# Altium PCB IOT_V1.2.PcbDoc (part 2 of 2)
Units mm, origin at the board's own origin, x right, y up, seen from the top; angles counter-clockwise.
Board outline 86.5 x 100 mm, 2 copper layers (Top Layer, Bottom Layer); 131 components, 118 nets, 469 pads, 487 vias.
Unrouted connection lines stored in the file: 52.
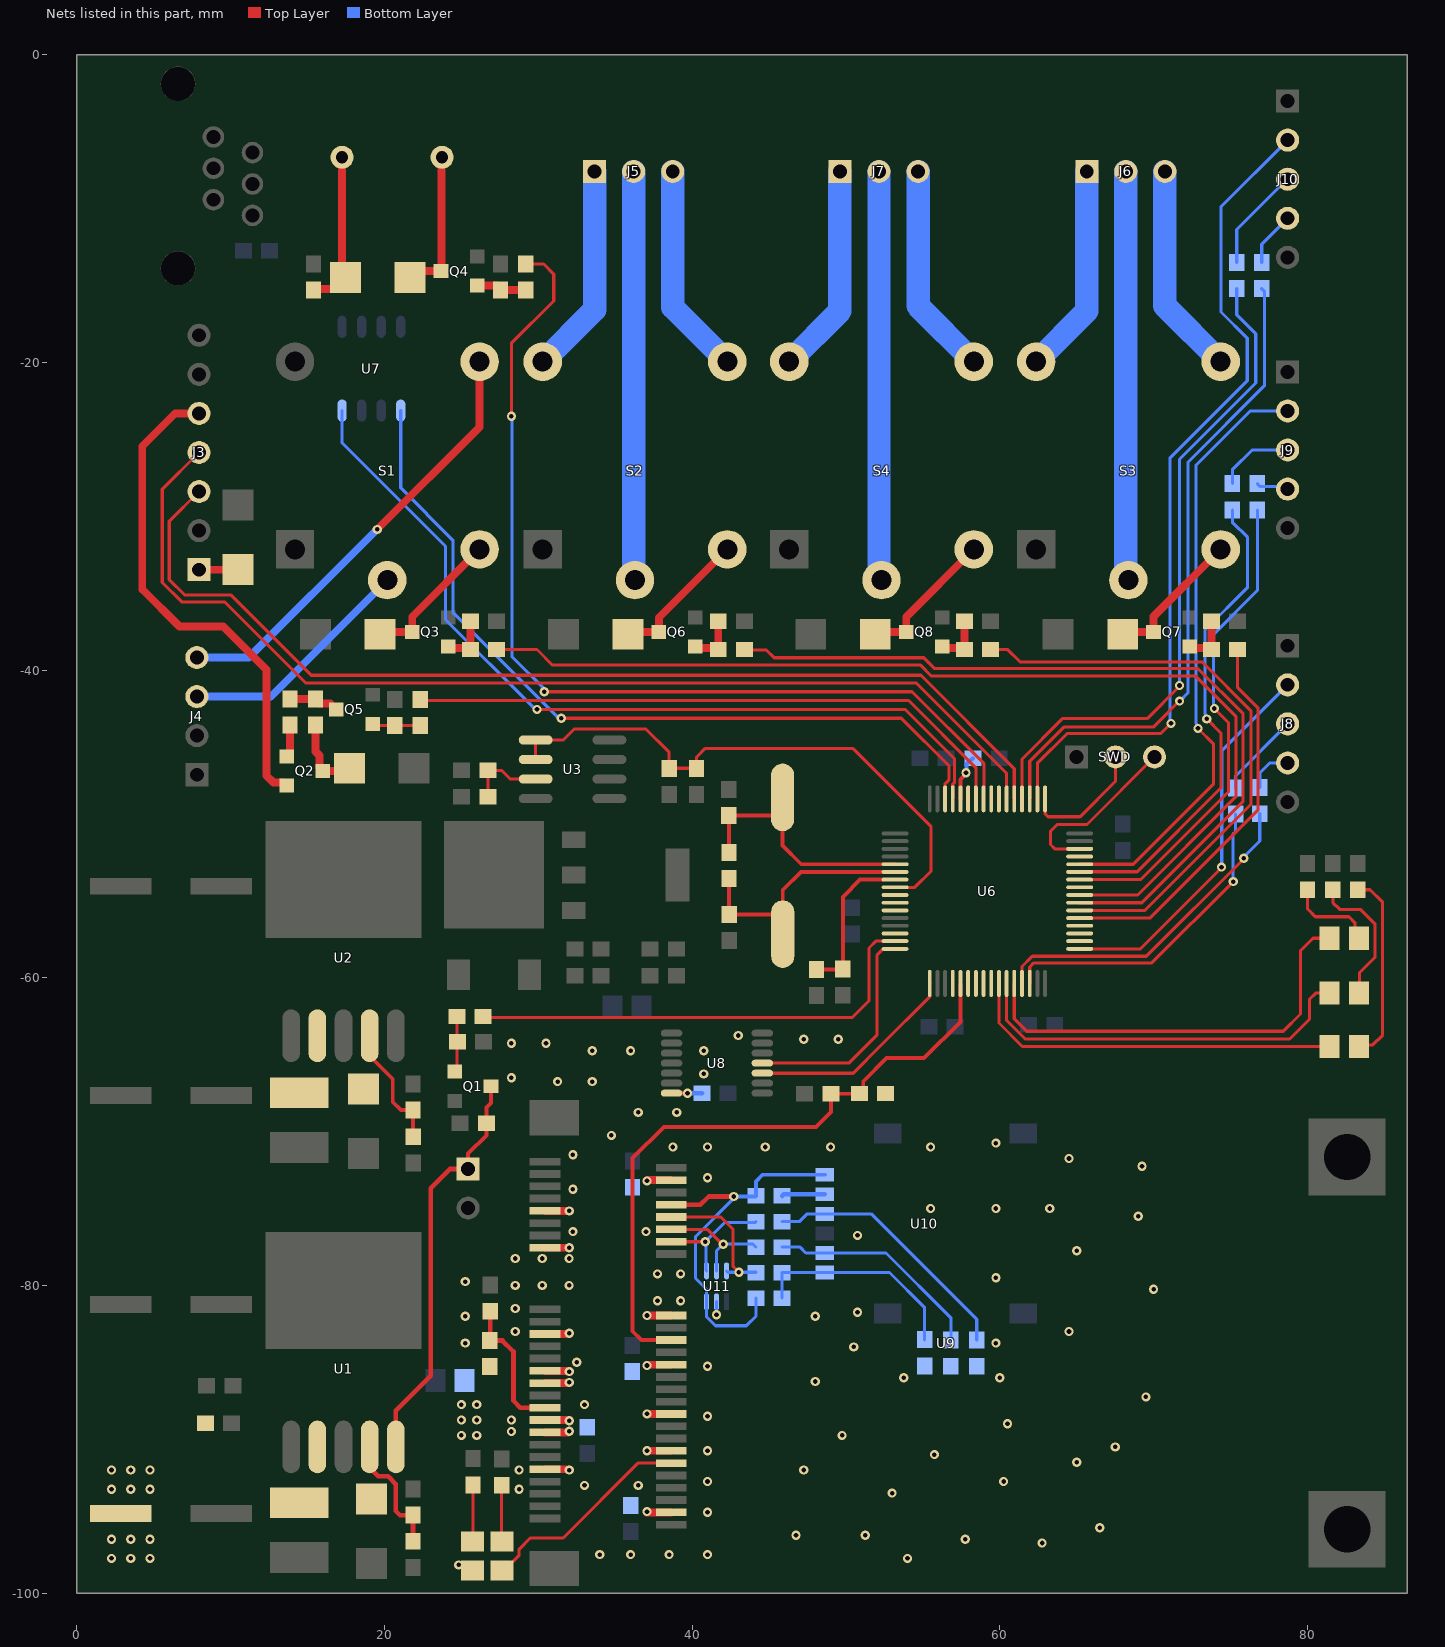
[diagram p2: the nets of this part, all layers, seen from the top]

## Via types
v1: diameter 0.6, hole 0.3, Top Layer to Bottom Layer, tented both sides, 487 vias

## Nets (pads, with @x,y where several pads share a name; then routed paths per layer and width w, separated by ;. In a path a pad name is that pad's centre, name@x,y a point inside that pad or via, vN(x,y) a via of type N, cw(c..) or ccw(c..) an arc to the next point about the centre after c; other vN are vias at no path point) (continued)
GND_4G: C3.2 C4.1 C21.2 C22.1 C23.1 C24.2 C25.1 C26.1 C27.1 C28.1 C29.1 C30.2 D2.2 R6.2 R19.1 U8.7 U9.4 U9.9 U9.15 U9.18 U9.21 U9.26 U9.27 U9.29 U9.34 U9.35 U9.37 U9.40 U9.43 U9.50 U10.4 U11.2 | length 27.7
  Top Layer w0.305: U8.7@38.66,-67.501 v1(39.701,-67.501)
  Top Layer w0.508: U9.43@30.437,-91.955 v1@32.012,-91.955 ; U9.37@30.437,-89.555 31.936,-89.555 v1(32.012,-89.479) ; U9.35@30.437,-88.755 v1@32.012,-88.755 ; U9.29@30.437,-86.355 v1@32.012,-86.355 ; U9.27@30.437,-85.555 v1@32.012,-85.555 ; U9.21@30.437,-83.155 v1@32.012,-83.155 ; U9.15@30.437,-77.555 v1(32.012,-77.555) ; U9.9@30.437,-75.155 v1(32.012,-75.155) ; v1@37.061,-94.755 U9.50@38.637,-94.755 ; v1(37.061,-90.755) U9.40@38.637,-90.755 ; v1(37.061,-88.355) U9.34@38.637,-88.355 ; v1@37.061,-85.155 U9.26@38.637,-85.155 ; v1(37.061,-81.955) U9.18@38.637,-81.955 ; v1@37.061,-73.155 U9.4@38.637,-73.155
  Bottom Layer w0.203: v1(41.587,-81.909) U11.2@41.587,-81.061
  Bottom Layer w0.305: v1(39.701,-67.501) 40.628,-67.501 R19.1@40.639,-67.512 ; C21.2@45.85,-74.182 45.953,-74.079 U10.4@48.627,-74.079
  other v1: 24.829,-98.171 2.25,-97.75 3.5,-97.75 4.75,-97.75 54,-97.75 34,-97.5 36,-97.5 38.5,-97.5 41,-97.5 62.75,-96.75 2.25,-96.5 3.5,-96.5 4.75,-96.5 57.75,-96.5 46.75,-96.25 51.25,-96.25 66.5,-95.75 41,-94.75 37.061,-94.704 53,-93.5 2.25,-93.25 3.5,-93.25 4.75,-93.25 28.75,-93.25 33,-93 36.5,-93 41,-92.75 60.25,-92.75 2.25,-92 3.5,-92 4.75,-92 28.75,-92 32.012,-92.006 47.25,-92 65,-91.5 55.75,-91 41,-90.75 67.5,-90.5 25,-89.75 26,-89.75 49.75,-89.75 28.25,-89.5 60.5,-89 32.012,-88.806 25,-88.75 26,-88.75 28.25,-88.75 41,-88.5 25,-87.75 26,-87.75 33,-87.75 69.5,-87.25 32.012,-86.304 48,-86.25 53.75,-86 60,-86 32.012,-85.606 41,-85.25 37.061,-85.206 32.5,-85 50.5,-84 25.25,-83.75 59.75,-83.75 32.012,-83.104 28.5,-83 64.5,-83 25.25,-82 48,-82 50.75,-81.75 28.5,-81.5 37.75,-81 39.25,-81 70,-80.25 28.5,-80 30.25,-80 32,-80 25.25,-79.75 59.75,-79.5 37.75,-79.25 39.25,-79.25 28.5,-78.25 30.25,-78.25 32,-78.25 65,-77.75 50.75,-76.75 32.25,-76.5 37,-76.5 69,-75.5 55.5,-75 59.75,-75 63.25,-75 32.25,-73.75 37.061,-73.206 41,-73 69.25,-72.25 64.5,-71.75 32.25,-71.5 38.75,-71 41,-71 44.75,-71 49,-71 55.5,-71 59.75,-70.75 34.75,-70.25 36.5,-68.75 39,-68.75 31.25,-66.75 33.5,-66.75 28.25,-66.5 40.75,-66.25 33.5,-64.75 36,-64.75 40.75,-64.75 28.25,-64.25 30.5,-64.25 47.25,-64 49.5,-64 43,-63.75
NetC13_2: C13.2 R15.2 U6.5 Y1.2 | length 17.1
  Top Layer w0.254: R15.2@42.394,-51.842 42.394,-49.473 C13.2@42.38,-49.459 45.305,-49.459 Y1.2@45.881,-48.883 ; Y1.2@45.881,-48.268 Y1.2@45.881,-48.883 ; U6.5@53.195,-52.619 47.094,-52.619 45.881,-51.405 Y1.2@45.881,-48.883
NetC14_2: C14.2 R15.1 U6.6 Y1.1 | length 16.7
  Top Layer w0.254: R15.1@42.394,-53.542 42.394,-55.853 C14.2@42.416,-55.875 45.314,-55.875 Y1.1@45.89,-56.451 ; Y1.1@45.89,-57.168 Y1.1@45.89,-56.451 ; U6.6@53.195,-53.119 47.072,-53.119 45.89,-54.301 Y1.1@45.89,-56.451
NetC15_2: C15.2 R17.2 U6.7 | length 9.5
  Top Layer w0.254: R17.2@48.082,-59.461 49.773,-59.461 C15.2@49.796,-59.438 49.797,-54.737 50.915,-53.619 U6.7@52.447,-53.619
NetC22_2: C22.2 R20.2 U10.2 | length 17
  Bottom Layer w0.203: R20.2@45.852,-75.853 46.969,-75.853 47.473,-75.349 U10.2@48.627,-75.349 51.638,-75.349 58.499,-82.21 C22.2@58.499,-83.555
NetC23_2: C23.2 R21.2 U10.3 | length 14.3
  Bottom Layer w0.203: R21.2@45.852,-77.51 47.017,-77.51 47.396,-77.889 U10.3@48.627,-77.889 52.603,-77.889 56.821,-82.106 C23.2@56.821,-83.555
NetC24_1: C24.1 R22.2 R23.1 U10.6 | length 14
  Bottom Layer w0.203: R23.1@45.852,-80.824 R22.2@45.852,-79.167 45.86,-79.159 U10.6@48.627,-79.159 52.832,-79.159 55.115,-81.442 C24.1@55.115,-83.53
NetD1_2: D1.2 L1.1 U1.2
NetD2_1: D2.1 R2.1 | length 3.7
  Top Layer w0.203: D2.1@25.726,-96.647 25.751,-96.622 R2.1@25.751,-92.967
NetD3_2: D3.2 L2.1 U2.2
NetD4_1: D4.1 R24.2 | length 3.7
  Top Layer w0.203: R24.2@27.617,-92.992 27.617,-96.616 D4.1@27.648,-96.647
NetD4_2: D4.2 U9.42 | length 14.8
  Top Layer w0.203: D4.2@28.133,-98.062 D4.2@27.648,-98.547 27.748,-98.547 28.75,-97.545 28.75,-97.145 29.477,-96.418 31.61,-96.418 36.474,-91.555 U9.42@38.637,-91.555
NetD5_2: D5.2 Q2.D R28.1 | length 5
  Top Layer w0.508: R28.1@15.511,-43.574 15.511,-45.292 15.773,-45.555 15.773,-46.359 15.969,-46.555 Q2.D@15.994,-46.555 17.547,-46.555 D5.2@17.724,-46.379
NetD6_2: D6.2 J3.1 | length 2.5
  Top Layer w0.508: J3.1@7.942,-33.469 10.465,-33.469 D6.2@10.478,-33.456
NetD7_1: D7.1 Q3.3 S1.3 | length 9.3
  Top Layer w0.508: D7.1@19.714,-37.668 19.863,-37.519 Q3.3@21.8,-37.519 21.8,-36.528 S1.3@26.18,-32.148
NetD8_1: D8.1 LS1.2 Q4.3 | length 9.6
  Top Layer w0.508: D8.1@21.657,-14.477 22.083,-14.051 Q4.3@23.669,-14.051 23.705,-14.015 23.705,-6.693 LS1.2@23.74,-6.658
NetD8_2: D8.2 LS1.1 R27.1 | length 10.3
  Top Layer w0.508: R27.1@15.381,-15.295 15.453,-15.223 16.711,-15.223 D8.2@17.457,-14.477 17.24,-14.26 LS1.1@17.24,-6.658
NetD9_1: D9.1 Q6.3 S2.3 | length 9.3
  Top Layer w0.508: D9.1@35.831,-37.668 35.981,-37.519 Q6.3@37.839,-37.519 37.839,-36.592 S2.3@42.284,-32.148
NetD10_1: D10.1 Q7.3 S3.3 | length 9.3
  Top Layer w0.508: D10.1@67.988,-37.668 68.137,-37.519 Q7.3@69.996,-37.519 69.996,-36.516 S3.3@74.364,-32.148
NetD11_1: D11.1 Q8.3 S4.3 | length 9.3
  Top Layer w0.508: D11.1@51.91,-37.668 52.059,-37.519 Q8.3@53.918,-37.519 53.918,-36.541 S4.3@58.311,-32.148
NetD12_1: D12.1 R48.2 | length 12.4
  Top Layer w0.203: R48.2@83.284,-54.278 84.073,-54.278 84.887,-55.093 84.887,-63.729 84.252,-64.364 83.446,-64.364 D12.1@83.344,-64.465
NetD13_1: D13.1 R49.2 | length 9.1
  Top Layer w0.203: R49.2@81.658,-54.278 81.658,-55.115 82.093,-55.55 83.439,-55.55 84.404,-56.515 84.404,-58.649 83.388,-59.665 83.388,-60.953 D13.1@83.344,-60.997
NetD14_1: D14.1 R50.2 | length 5.8
  Top Layer w0.203: R50.2@80.005,-54.288 80.005,-55.519 80.518,-56.032 82.702,-56.032 83.083,-56.413 83.083,-57.171 D14.1@83.344,-57.432
NetJ1_1: J1.1 Q1.3 R4.2 U1.5 | length 26.7
  Top Layer w0.254: J1.1@25.436,-72.427 25.436,-71.427 26.617,-70.246 R4.2@26.617,-69.464 26.617,-68.442 26.925,-68.135 Q1.3@26.925,-67.051
  Top Layer w0.305: U1.5@20.739,-90.5 20.739,-88.138 23,-85.877 23,-73.685 24.259,-72.427 J1.1@25.436,-72.427
NetJ3_5: J3.5 Q2.S | length 32.6
  Top Layer w0.508: J3.5@7.942,-23.309 6.397,-23.309 4.255,-25.451 4.255,-34.747 6.668,-37.16 9.512,-37.16 12.332,-39.98 12.332,-46.863 12.778,-47.309 13.448,-47.309 Q2.S@13.644,-47.505
NetJ4_3: J4.3 S1.2 | length 15.7
  Top Layer w0.508: S1.2@20.083,-34.051 S1.2@20.18,-34.148
  Bottom Layer w0.508: J4.3@7.801,-41.719 12.609,-41.719 S1.2@20.18,-34.148
NetJ4_4: J4.4 S1.4 | length 28.7
  Top Layer w0.508: v1(19.533,-30.848) 26.18,-24.201 S1.4@26.18,-19.948
  Bottom Layer w0.508: J4.4@7.801,-39.179 11.176,-39.179 v1@19.457,-30.899
NetJ5_1: J5.1 S2.6 | length 13.8
  Bottom Layer w1.524: S2.6@30.284,-19.948 33.655,-16.576 J5.1@33.655,-7.581
NetJ5_2: J5.2 S2.2 | length 26.6
  Bottom Layer w1.524: J5.2@36.195,-7.581 36.195,-34.059 S2.2@36.284,-34.148
NetJ5_3: J5.3 S2.4 | length 13.8
  Bottom Layer w1.524: J5.3@38.735,-7.581 38.735,-16.399 S2.4@42.284,-19.948
NetJ6_1: J6.1 S3.6 | length 13.7
  Bottom Layer w1.524: S3.6@62.364,-19.948 65.659,-16.653 J6.1@65.659,-7.581
NetJ6_2: J6.2 S3.2 | length 26.6
  Bottom Layer w1.524: J6.2@68.199,-7.581 68.199,-33.983 S3.2@68.364,-34.148
NetJ6_3: J6.3 S3.4 | length 13.9
  Bottom Layer w1.524: J6.3@70.739,-7.581 70.739,-16.323 S3.4@74.364,-19.948
NetJ7_1: J7.1 S4.6 | length 13.7
  Bottom Layer w1.524: S4.6@46.311,-19.948 49.606,-16.653 J7.1@49.606,-7.581
NetJ7_2: J7.2 S4.2 | length 26.6
  Bottom Layer w1.524: J7.2@52.146,-7.581 52.146,-33.983 S4.2@52.311,-34.148
NetJ7_3: J7.3 S4.4 | length 13.9
  Bottom Layer w1.524: J7.3@54.686,-7.581 54.686,-16.323 S4.4@58.311,-19.948
NetJ8_3: J8.3 R45.1 | length 5.6
  Bottom Layer w0.203: R45.1@75.332,-47.663 75.332,-46.877 J8.3@78.715,-43.494
NetJ8_4: J8.4 R42.1 | length 3
  Bottom Layer w0.203: R42.1@76.899,-47.638 76.899,-46.685 77.55,-46.034 J8.4@78.715,-46.034
NetJ9_3: J9.3 R46.1 | length 5
  Bottom Layer w0.203: R46.1@75.124,-27.877 75.124,-26.971 76.407,-25.689 J9.3@78.715,-25.689
NetJ9_4: J9.4 R43.1 | length 2.1
  Bottom Layer w0.203: R43.1@76.748,-27.877 76.938,-28.067 78.554,-28.067 J9.4@78.715,-28.229
NetJ10_3: J10.3 R47.1 | length 6.8
  Bottom Layer w0.203: R47.1@75.405,-13.5 75.405,-11.349 78.67,-8.083 J10.3@78.715,-8.083
NetJ10_4: J10.4 R44.1 | length 3.6
  Bottom Layer w0.203: R44.1@77.032,-13.5 77.032,-12.307 J10.4@78.715,-10.623
NetQ1_1: Q1.1 R5.2 R7.1 | length 3.6
  Top Layer w0.203: Q1.1@24.574,-66.101 24.714,-65.961 R5.2@24.714,-62.514
NetQ2_G: Q2.G R29.2 | length 2.1
  Top Layer w0.508: Q2.G@13.644,-45.605 13.657,-45.605 13.853,-45.409 R29.2@13.853,-43.574
NetQ3_1: Q3.1 R30.1 R33.2 | length 3.3
  Top Layer w0.508: Q3.1@24.15,-38.469 24.246,-38.565 25.485,-38.565 R30.1@25.582,-38.661 R33.2@25.582,-36.829
NetQ4_1: Q4.1 R31.1 R34.2 | length 3.3
  Top Layer w0.508: Q4.1@26.019,-15.001 27.298,-15.001 27.544,-15.247 R34.2@27.544,-15.295 R31.1@29.176,-15.295
NetQ5_D: Q5.D R28.2 R29.1 | length 3.3
  Top Layer w0.508: R29.1@13.853,-41.874 R28.2@15.511,-41.874 15.511,-41.924 15.757,-42.17 16.468,-42.17 16.848,-42.55 Q5.D@16.873,-42.55
NetQ5_G: Q5.G R32.1 R35.2 | length 3.1
  Top Layer w0.203: Q5.G@19.223,-43.5 19.323,-43.6 R35.2@20.676,-43.6 R32.1@22.315,-43.6
NetQ6_1: Q6.1 R36.1 R39.2 | length 3.2
  Top Layer w0.508: Q6.1@40.189,-38.469 40.285,-38.565 41.599,-38.565 41.695,-38.469 R39.2@41.695,-36.829
NetQ7_1: Q7.1 R37.1 R40.2 | length 3.3
  Top Layer w0.508: Q7.1@72.346,-38.469 72.442,-38.565 73.667,-38.565 R37.1@73.763,-38.661 R40.2@73.763,-36.829
NetQ8_1: Q8.1 R38.1 R41.2 | length 3.3
  Top Layer w0.508: Q8.1@56.268,-38.469 56.364,-38.565 57.601,-38.565 R38.1@57.697,-38.661 R41.2@57.697,-36.829
NetR1_2: R1.2 R3.2 U1.4 | length 8.2
  Top Layer w0.305: U1.4@19.037,-90.5 19.037,-91.844 19.598,-92.404 20.23,-92.404 20.739,-92.913 20.739,-94.666 21.007,-94.934 R1.2@21.85,-94.934 R3.2@21.85,-96.632
NetR8_2: R8.2 R9.2 U2.4 | length 8.2
  Top Layer w0.254: U2.4@19.037,-63.77 19.037,-65.075 20.536,-66.573 20.536,-68.072 21.065,-68.601 R8.2@21.85,-68.601 21.857,-68.607 R9.2@21.857,-70.333
NetR10_1: R10.1 R11.2 U3.3 | length 5.1
  Top Layer w0.203: R10.1@26.717,-48.234 R11.2@26.717,-46.518 27.608,-46.518 28.171,-47.081 U3.3@29.825,-47.081
NetR16_2: R16.2 U6.60 | length 3
  Top Layer w0.254: U6.60@57.445,-48.369 57.445,-47.113 57.803,-46.755 v1(57.803,-46.669)
  Bottom Layer w0.254: v1(57.803,-46.669) 57.844,-46.628 57.844,-46.104 58.217,-45.731 R16.2@58.267,-45.731
PA0: U6.14
PA1: R5.1 U6.15 | length 30.9
  Top Layer w0.203: R5.1@26.414,-62.514 26.485,-62.586 50.414,-62.586 51.499,-61.501 51.499,-58.064 51.944,-57.619 U6.15@53.195,-57.619
PA2: U6.16 U8.11 | length 14.7
  Top Layer w0.203: U8.11@44.56,-65.551 50.184,-65.551 52.007,-63.729 52.007,-61.822 52.007,-58.547 52.435,-58.119 U6.16@53.195,-58.119
PA3: U6.17 U8.10 | length 13.8
  Top Layer w0.203: U8.10@44.56,-66.201 44.569,-66.21 50.465,-66.21 52.279,-64.396 55.436,-61.239 55.436,-60.378 U6.17@55.445,-60.369
PA4: U6.20
PA5: C30.1 R26.2 U6.21 U9.22 | length 42.5
  Top Layer w0.254: U9.22@38.637,-83.555 36.705,-83.555 36.132,-82.982 36.132,-71.73 38.164,-69.698 48.044,-69.698 49.015,-68.727 R26.2@49.015,-67.539 50.862,-67.539 51.122,-67.278 51.122,-66.746 52.642,-65.227 55.08,-65.227 57.445,-62.862 U6.21@57.445,-60.369
PA6: U6.22
PA7: U6.23
PA8: U6.41
PA9: R43.2 U6.42 | length 31.9
  Top Layer w0.203: U6.42@65.195,-53.619 69.152,-53.619 74.867,-47.904 74.867,-43.409 v1(73.952,-42.494)
  Bottom Layer w0.203: v1(73.952,-42.494) 73.901,-42.443 73.901,-37.668 76.748,-34.822 R43.2@76.748,-29.577
PA10: R46.2 U6.43 | length 31.5
  Top Layer w0.203: U6.43@65.195,-53.119 65.209,-53.104 68.93,-53.104 74.384,-47.65 74.384,-44.094 v1(73.457,-43.167)
  Bottom Layer w0.203: v1(73.457,-43.167) 73.381,-43.091 73.381,-42.888 73.343,-42.85 73.343,-37.389 76.111,-34.62 76.111,-31.369 75.124,-30.382 R46.2@75.124,-29.577
PA11: J9.2 U6.44 | length 39.4
  Top Layer w0.203: U6.44@65.195,-52.619 68.679,-52.619 73.905,-47.393 73.905,-44.809 v1(72.885,-43.79)
  Bottom Layer w0.203: v1(72.885,-43.79) 72.809,-43.714 72.809,-43.523 72.758,-43.472 72.758,-26.67 76.28,-23.149 J9.2@78.631,-23.149
PA12: U6.45
PA15: J10.2 U6.50 | length 54.6
  Top Layer w0.203: U6.50@62.445,-48.369 62.445,-46.051 64.376,-44.12 70.472,-44.12 v1(71.13,-43.462)
  Bottom Layer w0.203: v1(71.13,-43.462) 71.057,-43.389 71.057,-26.213 76.086,-21.184 76.086,-18.415 74.384,-16.713 74.384,-9.875 J10.2@78.715,-5.543
PB0: D12.2 U6.26 | length 24.7
  Top Layer w0.203: U6.26@59.945,-60.369 59.945,-62.942 61.468,-64.465 D12.2@81.444,-64.465
PB1: D13.2 U6.27 | length 25.9
  Top Layer w0.203: U6.27@60.445,-60.369 60.445,-62.782 61.646,-63.983 78.842,-63.983 80.137,-62.687 80.137,-61.392 80.531,-60.997 D13.2@81.444,-60.997
PB2: D14.2 U6.28 | length 28
  Top Layer w0.203: U6.28@60.945,-60.369 60.945,-62.672 61.747,-63.475 78.435,-63.475 79.553,-62.357 79.553,-58.242 80.363,-57.432 D14.2@81.444,-57.432
PB3: U6.55
PB4: U6.56
PB5: R31.2 U6.57 | length 64.3
  Top Layer w0.203: v1(28.25,-23.5) 28.25,-18.75 31,-16 31,-14.25 30.345,-13.595 R31.2@29.176,-13.595 ; v1@30.386,-41.199 v1(30.386,-41.402) 54.293,-41.402 58.98,-46.09 58.98,-47.57 58.945,-47.606 U6.57@58.945,-48.369
  Bottom Layer w0.203: v1(28.25,-23.5) 28.283,-23.533 28.283,-39.116 30.386,-41.219 v1(30.386,-41.402)
PB6: R32.2 U6.58 | length 40
  Top Layer w0.203: R32.2@22.315,-41.978 54.077,-41.978 58.443,-46.344 ; U6.58@58.445,-48.369 58.445,-46.342
PB7: U6.59
PB8_CAN_RX: U6.61 U7.4 | length 55.9
  Top Layer w0.203: v1(29.914,-42.553) 53.838,-42.553 57.061,-45.776 57.061,-47.295 56.945,-47.411 U6.61@56.945,-48.369
  Bottom Layer w0.203: U7.4@17.243,-23.126 17.243,-25.231 23.965,-31.953 23.965,-36.715 29.634,-42.384 29.638,-42.384 29.807,-42.553 v1(29.914,-42.553)
PB9_CAN_TX: U6.62 U7.1 | length 53.2
  Top Layer w0.203: v1(31.489,-43.129) 53.6,-43.129 56.706,-46.235 56.706,-47.117 56.445,-47.378 U6.62@56.445,-48.369
  Bottom Layer w0.203: U7.1@21.053,-23.126 21.053,-28.152 24.448,-31.547 24.448,-36.247 31.33,-43.129 v1(31.489,-43.129)
PB10: R42.2 U6.29 | length 21.7
  Top Layer w0.203: U6.29@61.445,-60.369 61.445,-59.269 62.116,-58.598 69.533,-58.598 v1@75.873,-52.257
  Bottom Layer w0.203: v1(75.858,-52.222) 75.858,-52.146 76.899,-51.105 R42.2@76.899,-49.338
PB11: R45.2 U6.30 | length 21
  Top Layer w0.203: U6.30@61.945,-60.369 61.945,-59.302 62.217,-59.03 69.888,-59.03 v1(75.171,-53.746)
  Bottom Layer w0.203: v1(75.171,-53.746) 75.171,-50.648 75.332,-50.487 R45.2@75.332,-49.363
PB12: J8.2 U6.33 | length 25.1
  Top Layer w0.203: U6.33@65.195,-58.119 69.148,-58.119 74.414,-52.853 v1(74.414,-52.805)
  Bottom Layer w0.203: v1@74.435,-52.805 74.435,-45.235 J8.2@78.715,-40.954
PB13: U6.34
PB14: U6.35
PB15: U6.36
PC0: C7.2 C8.2 U3.1 U3.2 U6.8 | length 37.7
  Top Layer w0.203: U3.2@29.825,-45.811 U3.1@29.825,-44.541 31.621,-44.541 32.347,-43.815 36.97,-43.815 38.501,-45.346 C8.2@38.501,-46.38 ; C8.2@38.501,-46.391 C8.2@38.501,-46.38 ; U6.8@53.195,-54.119 54.479,-54.119 55.537,-53.061 55.537,-50.19 50.432,-45.085 40.856,-45.085 40.281,-45.66 40.281,-46.38 C8.2@38.501,-46.38
PC1: U6.9
PC2: U6.10
PC3: U6.11
PC4: U6.24
PC5: U6.25
PC6: R37.2 U6.37 | length 25.5
  Top Layer w0.203: U6.37@65.195,-56.119 69.751,-56.119 76.797,-49.073 76.797,-42.469 75.463,-41.134 R37.2@75.463,-38.661
PC7: R38.2 U6.38 | length 38.7
  Top Layer w0.203: R38.2@59.397,-38.661 59.4,-38.664 60.521,-38.664 61.328,-39.472 73.165,-39.472 76.327,-42.633 76.327,-48.73 69.438,-55.619 U6.38@65.195,-55.619
PC8: R36.2 U6.39 | length 53.2
  Top Layer w0.203: R36.2@43.395,-38.661 43.424,-38.69 44.824,-38.69 45.326,-39.192 55.055,-39.192 55.766,-39.903 72.885,-39.903 75.824,-42.842 75.824,-48.522 69.227,-55.119 U6.39@65.195,-55.119
PC9: R30.2 U6.40 | length 67.9
  Top Layer w0.203: R30.2@27.282,-38.661 29.911,-38.661 30.925,-39.675 54.851,-39.675 55.563,-40.386 72.733,-40.386 75.349,-43.002 75.349,-48.235 68.965,-54.619 U6.40@65.195,-54.619
PC10: R44.2 U6.51 | length 43.2
  Top Layer w0.203: U6.51@61.945,-48.369 61.945,-45.922 64.164,-43.702 69.975,-43.702 v1@71.819,-41.859
  Bottom Layer w0.203: v1(71.692,-42.012) 72.235,-41.468 72.235,-26.482 77.201,-21.516 77.201,-15.369 R44.2@77.032,-15.2
PC11: R47.2 U6.52 | length 43.2
  Top Layer w0.203: U6.52@61.445,-48.369 61.445,-45.781 64.072,-43.155 69.583,-43.155 71.681,-41.057 v1(71.681,-40.996)
  Bottom Layer w0.203: v1(71.681,-40.996) 71.681,-26.3 76.645,-21.336 76.645,-18.136 75.405,-16.896 R47.2@75.405,-15.2
PC12: J3.3 U6.53 | length 68.5
  Top Layer w0.203: J3.3@7.942,-28.389 6.007,-30.323 6.007,-34.112 6.998,-35.103 9.995,-35.103 15.227,-40.335 54.877,-40.335 60.945,-46.403 U6.53@60.945,-48.369
PD2: J3.4 U6.54 | length 71.1
  Top Layer w0.203: J3.4@7.942,-25.849 5.55,-28.24 5.55,-34.302 6.808,-35.56 9.594,-35.56 14.86,-40.826 54.554,-40.826 60.445,-46.717 U6.54@60.445,-48.369
RST_KEY: C29.2 R25.1 U9.33 | length 9.2
  Top Layer w0.305: R25.1@26.867,-81.679 26.867,-83.57 C29.2@26.853,-83.584 27.666,-83.584 28.385,-84.303 28.385,-87.503 28.837,-87.955 U9.33@30.437,-87.955
SIM: C21.1 R23.2 U9.8 U10.1 U11.3 | length 25.4
  Top Layer w0.305: U9.8@38.637,-74.755 40.538,-74.755 41.074,-74.219 v1(42.71,-74.219)
  Bottom Layer w0.203: v1(42.71,-74.219) 42.71,-74.34 42.552,-74.498 42.552,-74.504 40.221,-76.835 40.221,-79.527 40.937,-80.243 U11.3@40.937,-81.061 40.937,-82.047 41.516,-82.626 43.523,-82.626 44.152,-81.997 R23.2@44.152,-80.824 ; C21.1@44.113,-74.219 C21.1@44.15,-74.182
  Bottom Layer w0.254: v1(42.71,-74.219) C21.1@44.113,-74.219 ; C21.1@44.15,-74.182 44.15,-73.236 44.578,-72.809 U10.1@48.627,-72.809
SIM_CLK: R21.1 U9.12 U11.5 | length 7.9
  Top Layer w0.203: U9.12@38.637,-76.355 40.985,-76.355 41.948,-77.318 v1(42.024,-77.318)
  Bottom Layer w0.203: U11.5@41.587,-79.061 41.587,-77.755 v1(42.024,-77.318) 43.96,-77.318 R21.1@44.152,-77.51
SIM_DATA: R22.1 U9.10 U11.6 | length 9.3
  Top Layer w0.203: U9.10@38.637,-75.555 41.862,-75.555 42.659,-76.352 42.659,-78.765 v1(43.04,-79.146)
  Bottom Layer w0.203: U11.6@42.237,-79.061 42.322,-79.146 v1(43.04,-79.146) 44.132,-79.146 R22.1@44.152,-79.167
SIM_RST: R20.1 U9.14 U11.4 | length 8
  Top Layer w0.203: U9.14@38.637,-77.155 38.647,-77.165 v1(40.856,-77.165)
  Bottom Layer w0.203: U11.4@40.937,-79.061 40.899,-79.023 40.899,-77.208 v1(40.856,-77.165) 42.101,-75.921 44.084,-75.921 R20.1@44.152,-75.853
SWDCLK: SWD.2 U6.49 | length 8.2
  Top Layer w0.203: U6.49@62.945,-48.369 62.945,-49.343 63.132,-49.53 65.227,-49.53 67.513,-47.244 SWD.2@67.513,-45.593
SWDIO: SWD.3 U6.46 | length 11.6
  Top Layer w0.203: U6.46@65.195,-51.619 63.582,-51.619 63.297,-51.333 63.297,-50.47 63.729,-50.038 65.666,-50.038 SWD.3@70.063,-45.642
pads on no net: J2. J2.1 J3.6 J3.7 S1.6 U3.5 U3.6 U3.7 U6.2 U6.3 U6.4 U7.5 U8.2 U8.3 U8.6 U8.9 U8.12 U8.13 U9.0 U9.1 U9.3 U9.5 U9.6 U9.7 U9.13 U9.16 U9.17 U9.19 U9.20 U9.25 U9.28 U9.30 U9.32 U9.36 U9.38 U9.44 U9.45 U9.46 U9.47 U9.48 U9.49 U9.51 U10.0 U10.5 U11.1

## Polygon pours and split planes (outlines as drawn)
GND_4G on Top Layer "GND_4G_T1" (solid, pour order 50): 50.5,-63.5 55.5,-68.5 86.5,-68.5 86.5,-100 24.5,-100 24.5,-89.75 24.5,-79.5 27.5,-76.5 27.5,-63.5
AGND on Top Layer "AGND_T" (solid, pour order 51): 0,-87.5 12,-87.5 11.5,-88 11.5,-100 24,-100 24,-89.5 24,-79 27,-76 27,-63 35.5,-63 35.5,-56.5 31,-52 28,-49 28,-39.5 76.5,-39.5 76.5,-31 72.5,-27 40,-27 32,-19 32,0 0,0
GND on Top Layer "GND_T" (solid, pour order 57): 51,-63 56,-68 86.5,-68 86.5,-63 86.5,0 74,0 74.5,-0.5 74.5,-40 28.5,-40 28.5,-48.5 36,-56 36,-63
GND_4G on Top Layer "GND_4G_T2" (solid, pour order 53): 0,-88 0,-100 11,-100 11,-88
3V3 on Top Layer "3V3_L01_P031" (solid, remove dead copper, pour order 31): 31.382,-52.781 31.382,-53.772 31.636,-54.026 36.462,-54.026 38.316,-55.88 38.316,-60.35 39.84,-61.874 48.552,-61.874 48.781,-61.646 48.781,-60.755 48.376,-60.35 41.923,-60.35 40.551,-58.979 40.551,-51.587 39.586,-50.622 35.395,-50.622 33.541,-52.476 31.687,-52.476
36V on Top Layer "36V_L01_P015" (solid, remove dead copper, pour order 15): 6.566,-46.507 6.566,-61.138 10.909,-65.481 14.186,-65.481 14.516,-65.151 14.516,-62.357 11.468,-59.309 11.468,-48.031 9.385,-45.949 7.125,-45.949
5V on Top Layer "5V_L01_P030" (solid, remove dead copper, pour order 30): 28.308,-60.477 28.943,-61.112 32.347,-61.112 33.236,-60.223 33.236,-55.067 32.982,-54.813 31.636,-54.813 31.128,-55.321 31.128,-57.455 30.137,-58.445 28.664,-58.445 28.308,-58.801
15V on Top Layer "Top Layer-15V" (solid, remove dead copper, pour order 24): 7.074,-83.287 9.538,-85.75 9.538,-87.02 9.843,-87.325 11.417,-87.325 13.272,-89.179 13.272,-91.897 13.653,-92.278 14.211,-92.278 14.542,-91.948 14.542,-86.563 13.043,-85.065 12.205,-85.065 11.621,-84.48 11.621,-76.149 12.51,-75.26 14.923,-75.26 16.751,-73.431 16.751,-70.256 16.294,-69.799 12.611,-69.799 11.595,-68.783 11.595,-66.98 11.189,-66.573 7.76,-66.573 7.074,-67.259
15V on Top Layer "15V_L01_P020" (solid, remove dead copper, pour order 20): 22.085,-58.318 25.26,-58.318 25.845,-58.903 25.845,-60.681 24.905,-61.62 22.289,-61.62 21.501,-60.833 21.501,-58.903
NetD3_2 on Top Layer "NETD3_2_L01_P016" (solid, remove dead copper, pour order 16): 12.332,-68.377 12.891,-68.936 19.469,-68.936 19.799,-68.605 19.799,-66.421 19.418,-66.04 16.955,-66.04 16.218,-65.303 16.218,-62.332 15.913,-62.027 15.354,-62.027 15.024,-62.357 15.024,-65.329 14.11,-66.243 12.713,-66.243 12.332,-66.624
NetD1_2 on Top Layer "NETD1_2_L01_P019" (solid, remove dead copper, pour order 19): 15.05,-92.151 14.237,-92.964 12.687,-92.964 12.433,-93.218 12.433,-95.072 12.992,-95.631 19.418,-95.631 20.18,-94.869 20.18,-92.913 20.028,-92.761 17.107,-92.761 16.218,-91.872 16.218,-89.052 15.888,-88.722 15.354,-88.722 15.05,-89.027
3V8 on Top Layer "3V8_L01_P018" (solid, remove dead copper, pour order 18): 9.36,-89.687 7.049,-91.999 7.049,-95.86 10.325,-99.136 16.193,-99.136 16.955,-98.374 16.955,-96.876 16.269,-96.19 12.56,-96.19 11.697,-95.326 11.697,-88.875 10.808,-87.986 9.741,-87.986 9.36,-88.367
GND_4G on Bottom Layer "GND_4G_B" (solid, pour order 54): 50.5,-63.5 55.5,-68.5 86.5,-68.5 86.5,-100 0,-100 0,-88 24.5,-88 24.5,-79.5 27.5,-76.5 27.5,-63.5
GND on Bottom Layer "GND_B" (solid, pour order 56): 51,-63 56,-68 86.5,-68 86.5,0 74,0 74,-40 28.5,-40 28.5,-48.5 36,-56 36,-63
AGND on Bottom Layer "AGND_B" (solid, pour order 55): 0,-87.5 24,-87.5 24,-79 27,-76 27,-63 35.5,-63 35.5,-56.5 28.012,-49.012 28.012,-39.811 28,-39.799 28,-39.5 76.5,-39.5 76.5,-31 72.5,-27 40,-27 32,-19 32,0 0,0
3V3 on Bottom Layer "3V3_L02_P044" (solid, remove dead copper, pour order 44): 68.453,-49.428 68.605,-49.581 68.605,-50.498 68.435,-50.648 65.646,-50.648 64.249,-52.045 64.249,-63.551 64.097,-63.703 63.056,-63.703 62.878,-63.525 62.878,-61.697 62.421,-61.239 58.28,-61.239 57.696,-61.824 57.696,-63.703 57.544,-63.856 56.731,-63.856 56.452,-63.576 56.452,-61.646 55.842,-61.036 52.667,-61.036 51.829,-61.874 46.215,-61.874 45.961,-61.62 45.911,-61.57 45.911,-60.808 46.215,-60.503 50.406,-60.503 51.067,-59.842 51.067,-58.268 50.965,-58.166 50.279,-58.166 49.797,-57.683 49.797,-56.693 49.898,-56.591 52.184,-56.591 54.089,-54.686 54.089,-45.187 54.42,-44.856 55.258,-44.856 55.563,-45.161 55.563,-55.067 52.464,-58.166 52.464,-59.69 52.692,-59.919 61.328,-59.919 62.649,-58.598 62.649,-51.74 64.961,-49.428
3V3 on Bottom Layer "3V3_L02_P045" (solid, remove dead copper, pour order 45): 77.94,-13.462 80.582,-16.104 80.582,-29.362 80.023,-29.921 78.423,-29.921 77.965,-30.378 77.965,-31.115 78.397,-31.547 79.82,-31.547 80.582,-32.309 80.582,-46.634 79.388,-47.828 78.397,-47.828 77.94,-48.285 77.94,-48.844 79.058,-49.962 79.058,-50.851 70.32,-59.588 64.961,-59.588 64.249,-58.877 63.945,-59.182 63.945,-61.697 64.021,-61.773 64.732,-61.062 70.879,-61.062 82.106,-49.835 82.106,-15.367 79.108,-12.37 78.296,-12.37 77.94,-12.725
5V on Bottom Layer "5V_L02_P046" (solid, remove dead copper, pour order 46): 30.213,-60.554 30.544,-60.884 31.661,-60.884 35.573,-56.972 35.573,-38.049 31.661,-34.138 31.661,-30.81 31.255,-30.404 29.477,-30.404 28.943,-30.937 28.943,-34.9 33.16,-39.116 33.16,-55.601 30.213,-58.547
3V8 on Bottom Layer "Bottom Layer-3V8" (solid, remove dead copper, pour order 38): 34.074,-95.479 35.166,-96.571 36.817,-96.571 37.376,-96.012 37.376,-95.453 37.224,-95.301 35.37,-95.301 35.192,-95.123 35.192,-94.361 35.192,-84.912 35.522,-84.582 37.275,-84.582 37.402,-84.455 37.402,-83.845 36.792,-83.236 35.827,-83.236 35.192,-82.601 35.192,-73 35.598,-72.593 37.3,-72.593 37.427,-72.466 37.427,-71.933 36.767,-71.272 34.938,-71.272 34.1,-72.111 34.1,-89.891 33.871,-90.119 31.814,-90.119 31.585,-90.348 31.585,-91.186 31.788,-91.389 33.033,-91.389 33.922,-92.278 33.922,-93.37 33.363,-93.929 26.251,-93.929 26.2,-93.98 18.758,-93.98 16.345,-96.393 11.036,-96.393 10.554,-96.876 10.554,-98.196 11.265,-98.908 16.777,-98.908 20.18,-95.504 26.784,-95.504 26.784,-95.479
15V on Bottom Layer "15V_L02_P025" (solid, remove dead copper, pour order 25): 13.043,-73.304 13.043,-74.473 13.348,-74.778 21.527,-74.778 23.94,-72.365 23.94,-58.928 23.686,-58.674 22.568,-58.674 22.009,-59.233 22.009,-71.501 20.46,-73.05 13.297,-73.05

## Keep-outs
Keep-Out Layer:
  the board outline again, w0.2

## Other copper
Bottom Layer:
  text "X.YM" at 84,-57 h3
  text "8/30" at 84.5,-61.5 h4
  text "IOT V1.2" at 84.5,-65.5 h4

## Silkscreen, mask and mechanical layers (free items; w line width, h text height)
Top Overlay:
  text "GND" at 65.922,-44.086 h2.2 r90
  text "CLK" at 68.462,-44.086 h2.2 r90
  text "DIO" at 71.002,-44.086 h2.2 r90
  text "2" at 79.883,-58.877 h2.2 r90
  text "1" at 79.883,-62.433 h2.2 r90
  text "0" at 79.883,-65.964 h2.2 r90
  text "PWR" at 24.696,-95.758 h1.2
  text "NET" at 26.746,-95.758 h1.2
Bottom Overlay:
  lines w0.2: 43.218,-87.909 43.218,-73.254 46.876,-73.254 46.876,-87.909 43.218,-87.909
  lines w0.3: 0.61,-36.75 9.25,-36.75 9.25,-49.25 ; 0.61,-36 9.25,-36 ; 0.61,-16 9,-16 9.25,-16 9.25,-36 ; 23.774,-99.518 85.953,-99.518 85.953,-68.3 55.524,-68.3 50.343,-63.119 40.309,-63.119 ; 31.25,-0.559 31.25,-8.75 41.25,-8.75 41.25,-0.559 ; 47.25,-0.559 47.25,-8.75 57.25,-8.75 57.25,-0.559 ; 63.25,-0.559 63.25,-8.75 73.25,-8.75 ; 64.897,-68.275 64.897,-63.73 77.661,-50.967 ; 73.25,-0.559 73.25,-8.75 ; 76.073,-30.81 76.073,-34.315 70.307,-40.081 15.062,-40.081 10.981,-36 9.25,-36 ; 76.073,-24.257 76.073,-18.669 ; 76.073,-12.421 76.073,-11.878 76.073,-11.573 73.25,-8.75 ; 77.5,-12.5 77.5,-0.567 85.628,-0.567 85.662,-0.533 ; 77.509,-0.558 0.584,-0.558 0.584,-49.251 ; 77.588,-46.837 77.588,-36.033 ; 77.622,-36 85.75,-36 ; 77.661,-50.139 77.661,-50.967 ; 78,-15.5 85.75,-15.5 ; 85.75,-18.25 77.5,-18.25 77.5,-33.217 85.838,-33.217 ; 85.838,-50.967 77.661,-50.967 ; 0.584,-49.251 0.584,-99.518 3.911,-99.518 26.365,-99.518 26.365,-77.064 27.864,-75.564 27.864,-63.119 40.309,-63.119 ; 0.584,-49.251 0.585,-49.25 1.25,-49.25 9.25,-49.25 ; 9.25,-49.25 40.309,-49.25 40.309,-60.705 40.309,-63.119
  text "GND" at 83.278,-4 h2.2
  text "CLO" at 32.717,-6.456 h2.2 r270
  text "COM" at 35.257,-6.452 h2.2 r270
  text "OPN" at 37.797,-6.452 h2.2 r270
  text "CLO" at 48.668,-6.456 h2.2 r270
  text "COM" at 51.208,-6.452 h2.2 r270
  text "OPN" at 53.748,-6.452 h2.2 r270
  text "CLO" at 64.721,-6.456 h2.2 r270
  text "COM" at 67.261,-6.452 h2.2 r270
  text "OPN" at 69.801,-6.452 h2.2 r270
  text "A15" at 83.288,-6.5 h2.2
  text "RX4" at 83.294,-9 h2.2
  text "TX4" at 83.294,-11.75 h2.2
  text "3V3" at 83.278,-14.25 h2.2
  text "NC" at 6.812,-19.167 h2.2
  text "GND" at 83.278,-21.605 h2.2
  text "NC" at 6.812,-21.707 h2.2
  text "A11" at 83.288,-24.105 h2.2
  text "LGT" at 6.812,-24.247 h2.2
  text "RX1" at 83.294,-26.605 h2.2
  text "RX5" at 6.823,-26.747 h2.2
  text "TX5" at 6.829,-29.247 h2.2
  text "TX1" at 83.294,-29.355 h2.2
  text "3V3" at 83.278,-31.855 h2.2
  text "GND" at 6.829,-31.997 h2.2
  text "15V" at 6.812,-34.497 h2.2
  text "GND" at 83.278,-39.411 h2.2
  text "OPN" at 6.672,-40.117 h2.2
  text "B12" at 83.288,-41.911 h2.2
  text "COM" at 6.692,-42.657 h2.2
  text "RX3" at 83.294,-44.411 h2.2
  text "GND" at 6.672,-45.197 h2.2
  text "TX3" at 83.294,-47 h2.2
  text "36V" at 6.688,-47.737 h2.2
  text "3V3" at 83.278,-49.661 h2.2
Bottom Solder:
  text "X.YM" at 84,-57 h3
  text "8/30" at 84.5,-61.5 h4
  text "IOT V1.2" at 84.5,-65.5 h4

## Dimensions
86.5,-100 to 0,-99.9 on Mechanical 1
0,-100 to 0.1,0 on Mechanical 1

## Text inside footprints (layer, text, board x,y; h text height)
LS1: Top Overlay "+" at 14.24,-5.408 h0.81